# KiCad board armory.kicad_pcb (continued)
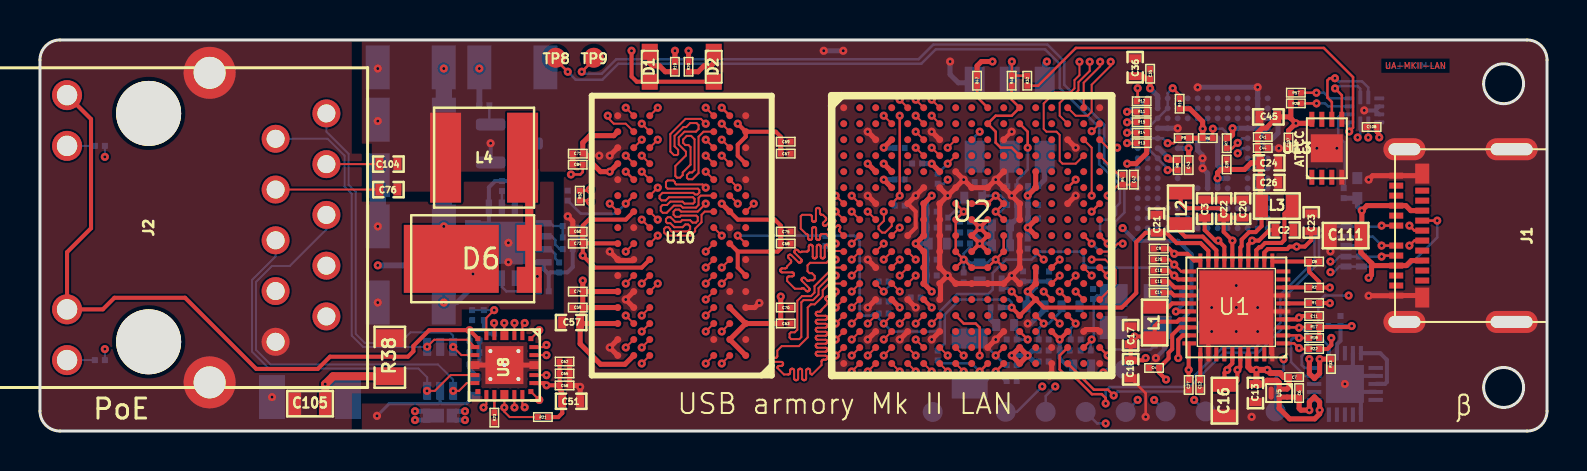
[diagram p0: board, top side]
## Routing (per net, layer and track width the routed paths; a pad name or vN(x,y) marks a point on that pad's centre or on a via; arc(x,y) is an arc through that point) (continued)
/DDR/DRAM_D13: length 28
  TOP w0.1: v1(29.29,5.78) U10.C8 ; U2.P3 v1(41.39,5.38)
  SIGNAL_1 w0.1: v1(41.39,5.38) 41.97,5.96 42.24,5.96 42.41,6.13 42.41,6.47 42.59,6.65 42.59,7.12 42.86,7.39 43.19,7.39 43.39,7.59 43.39,7.99 43.19,8.19 42.8,8.19 42.58,8.41 42.58,8.76 42.36,8.98 39.64,8.98 39.08,9.54 38.91,9.54 38.89,9.54 38.87,9.55 38.85,9.56 38.84,9.58 38.82,9.6 38.82,9.62 38.81,9.64 38.81,9.94 38.81,9.96 38.8,9.98 38.79,10 38.78,10.02 38.76,10.03 38.74,10.04 38.71,10.04 38.69,10.04 38.67,10.03 38.65,10.02 38.64,10 38.62,9.98 38.62,9.96 38.61,9.94 38.61,9.14 38.61,9.12 38.6,9.1 38.59,9.08 38.58,9.06 38.56,9.05 38.54,9.04 38.51,9.04 38.49,9.04 38.47,9.05 38.45,9.06 38.44,9.08 38.42,9.1 38.42,9.12 38.41,9.14 38.41,9.94 38.41,9.96 38.4,9.98 38.39,10 38.38,10.02 38.36,10.03 38.34,10.04 38.31,10.04 38.29,10.04 38.27,10.03 38.25,10.02 38.24,10 38.22,9.98 38.22,9.96 38.21,9.94 38.21,9.14 38.21,9.12 38.2,9.1 38.19,9.08 38.18,9.06 38.16,9.05 38.14,9.04 38.11,9.04 38.09,9.04 38.07,9.05 38.05,9.06 38.04,9.08 38.02,9.1 38.02,9.12 38.01,9.14 38.01,9.94 38.01,9.96 38,9.98 37.99,10 37.98,10.02 37.96,10.03 37.94,10.04 37.91,10.04 37.89,10.04 37.87,10.03 37.85,10.02 37.84,10 37.82,9.98 37.82,9.96 37.81,9.94 37.81,9.14 37.81,9.12 37.8,9.1 37.79,9.08 37.78,9.06 37.76,9.05 37.74,9.04 37.71,9.04 37.69,9.04 37.67,9.05 37.65,9.06 37.64,9.08 37.62,9.1 37.62,9.12 37.61,9.14 37.61,9.44 37.61,9.46 37.6,9.48 37.59,9.5 37.58,9.52 37.56,9.53 37.54,9.54 37.51,9.54 36.56,9.54 35.52,8.5 35.52,7.04 33.86,5.38 U10.C8 v1(29.29,5.78)
/DDR/DRAM_D14: length 28
  TOP w0.1: U2.R2 v1(40.59,4.58) ; v1(34.09,4.98) U10.C2
  SIGNAL_1 w0.1: v1(34.09,4.98) 34.09,5.33 35.73,6.97 35.73,7.92 36.03,8.22 36.45,8.22 36.48,8.22 36.5,8.21 36.52,8.2 36.53,8.18 36.54,8.16 36.55,8.14 36.55,8.12 36.55,7.88 36.56,7.86 36.56,7.84 36.58,7.82 36.59,7.81 36.61,7.79 36.63,7.79 36.65,7.78 36.68,7.79 36.7,7.79 36.72,7.81 36.73,7.82 36.74,7.84 36.75,7.86 36.75,7.88 36.75,8.56 36.76,8.58 36.76,8.6 36.78,8.62 36.79,8.63 36.81,8.65 36.83,8.65 36.85,8.66 36.88,8.65 36.9,8.65 36.92,8.63 36.93,8.62 36.94,8.6 36.95,8.58 36.95,8.56 36.95,7.88 36.96,7.86 36.96,7.84 36.98,7.82 36.99,7.81 37.01,7.79 37.03,7.79 37.05,7.78 37.08,7.79 37.1,7.79 37.12,7.81 37.13,7.82 37.14,7.84 37.15,7.86 37.15,7.88 37.15,8.56 37.16,8.58 37.16,8.6 37.18,8.62 37.19,8.63 37.21,8.65 37.23,8.65 37.25,8.66 37.28,8.65 37.3,8.65 37.32,8.63 37.33,8.62 37.34,8.6 37.35,8.58 37.35,8.56 37.35,7.88 37.36,7.86 37.36,7.84 37.38,7.82 37.39,7.81 37.41,7.79 37.43,7.79 37.45,7.78 37.48,7.79 37.5,7.79 37.52,7.81 37.53,7.82 37.54,7.84 37.55,7.86 37.55,7.88 37.55,8.56 37.56,8.58 37.56,8.6 37.58,8.62 37.59,8.63 37.61,8.65 37.63,8.65 37.65,8.66 37.68,8.65 37.7,8.65 37.72,8.63 37.73,8.62 37.74,8.6 37.75,8.58 37.75,8.56 37.75,7.88 37.76,7.86 37.76,7.84 37.78,7.82 37.79,7.81 37.81,7.79 37.83,7.79 37.85,7.78 37.88,7.79 37.9,7.79 37.92,7.81 37.93,7.82 37.94,7.84 37.95,7.86 37.95,7.88 37.95,8.56 37.96,8.58 37.96,8.6 37.98,8.62 37.99,8.63 38.01,8.65 38.03,8.65 38.05,8.66 38.08,8.65 38.1,8.65 38.12,8.63 38.13,8.62 38.14,8.6 38.15,8.58 38.15,8.56 38.15,7.88 38.16,7.86 38.16,7.84 38.18,7.82 38.19,7.81 38.21,7.79 38.23,7.79 38.25,7.78 38.28,7.79 38.3,7.79 38.32,7.81 38.33,7.82 38.34,7.84 38.35,7.86 38.35,7.88 38.35,8.56 38.36,8.58 38.36,8.6 38.38,8.62 38.39,8.63 38.41,8.65 38.43,8.65 38.45,8.66 38.48,8.65 38.5,8.65 38.52,8.63 38.53,8.62 38.54,8.6 38.55,8.58 38.55,8.56 38.55,7.88 38.56,7.86 38.56,7.84 38.58,7.82 38.59,7.81 38.61,7.79 38.63,7.79 38.65,7.78 38.68,7.79 38.7,7.79 38.72,7.81 38.73,7.82 38.74,7.84 38.75,7.86 38.75,7.88 38.75,8.56 38.76,8.58 38.76,8.6 38.78,8.62 38.79,8.63 38.81,8.65 38.83,8.65 38.85,8.66 38.88,8.65 38.9,8.65 38.92,8.63 38.93,8.62 38.94,8.6 38.95,8.58 38.95,8.56 38.95,7.88 38.96,7.86 38.96,7.84 38.98,7.82 38.99,7.81 39.01,7.79 39.03,7.79 39.05,7.78 39.08,7.79 39.1,7.79 39.12,7.81 39.13,7.82 39.14,7.84 39.15,7.86 39.15,7.88 39.15,8.56 39.16,8.58 39.16,8.6 39.18,8.62 39.19,8.63 39.21,8.65 39.23,8.65 39.25,8.66 39.28,8.65 39.3,8.65 39.32,8.63 39.33,8.62 39.34,8.6 39.35,8.58 39.35,8.56 39.35,8.32 39.36,8.3 39.36,8.28 39.38,8.26 39.39,8.24 39.41,8.23 39.43,8.22 39.45,8.22 42.4,8.22 42.63,7.99 42.63,7.5 42.47,7.34 42.04,7.34 41.81,7.11 41.81,6.71 41.91,6.61 42.08,6.61 42.2,6.49 42.2,6.29 42.07,6.16 41.89,6.16 41.52,5.79 41.2,5.79 40.99,5.58 U2.R2 v1(40.59,4.58)
/DDR/DRAM_D15: length 28
  TOP w0.1: U10.C3 v1(33.29,4.98) ; v1(39.79,4.58) U2.R1
  SIGNAL_1 w0.1: v1(33.29,4.98) 33.29,4.72 33.39,4.62 34.24,4.62 34.48,4.86 34.48,5.44 35.93,6.89 35.93,7.36 36.1,7.53 37.25,7.53 37.4,7.38 37.4,6.53 37.41,6.51 37.41,6.49 37.43,6.47 37.44,6.45 37.46,6.44 37.48,6.43 37.5,6.43 37.53,6.43 37.55,6.44 37.57,6.45 37.58,6.47 37.59,6.49 37.6,6.51 37.6,6.53 37.6,7.43 37.61,7.45 37.61,7.47 37.63,7.49 37.64,7.51 37.66,7.52 37.68,7.53 37.7,7.53 37.73,7.53 37.75,7.52 37.77,7.51 37.78,7.49 37.79,7.47 37.8,7.45 37.8,7.43 37.8,6.53 37.81,6.51 37.81,6.49 37.83,6.47 37.84,6.45 37.86,6.44 37.88,6.43 37.9,6.43 37.93,6.43 37.95,6.44 37.97,6.45 37.98,6.47 37.99,6.49 38,6.51 38,6.53 38,7.43 38.01,7.45 38.01,7.47 38.03,7.49 38.04,7.51 38.06,7.52 38.08,7.53 38.1,7.53 38.13,7.53 38.15,7.52 38.17,7.51 38.18,7.49 38.19,7.47 38.2,7.45 38.2,7.43 38.2,6.53 38.21,6.51 38.21,6.49 38.23,6.47 38.24,6.45 38.26,6.44 38.28,6.43 38.3,6.43 38.33,6.43 38.35,6.44 38.37,6.45 38.38,6.47 38.39,6.49 38.4,6.51 38.4,6.53 38.4,7.43 38.41,7.45 38.41,7.47 38.43,7.49 38.44,7.51 38.46,7.52 38.48,7.53 38.5,7.53 38.53,7.53 38.55,7.52 38.57,7.51 38.58,7.49 38.59,7.47 38.6,7.45 38.6,7.43 38.6,6.53 38.61,6.51 38.61,6.49 38.63,6.47 38.64,6.45 38.66,6.44 38.68,6.43 38.7,6.43 38.73,6.43 38.75,6.44 38.77,6.45 38.78,6.47 38.79,6.49 38.8,6.51 38.8,6.53 38.8,7.43 38.81,7.45 38.81,7.47 38.83,7.49 38.84,7.51 38.86,7.52 38.88,7.53 38.9,7.53 38.93,7.53 38.95,7.52 38.97,7.51 38.98,7.49 38.99,7.47 39,7.45 39,7.43 39,7.08 39.01,7.06 39.01,7.04 39.03,7.02 39.04,7 39.06,6.99 39.08,6.98 39.1,6.98 39.29,6.98 39.69,7.38 39.89,7.38 39.9,7.38 39.92,7.38 39.92,7.37 39.93,7.36 39.94,7.35 39.94,7.34 39.94,7.32 39.95,7.31 39.95,7.3 39.96,7.29 39.97,7.28 39.98,7.28 39.99,7.28 40.09,7.28 40.1,7.28 40.12,7.28 40.12,7.29 40.13,7.3 40.14,7.31 40.14,7.32 40.14,7.33 40.14,7.48 40.15,7.5 40.15,7.52 40.17,7.54 40.18,7.56 40.2,7.57 40.22,7.58 40.24,7.58 40.27,7.58 40.29,7.57 40.31,7.56 40.32,7.54 40.33,7.52 40.34,7.5 40.35,7.46 40.35,7.44 40.37,7.42 40.38,7.4 40.4,7.39 40.42,7.38 40.44,7.38 40.74,7.38 40.95,7.59 40.95,7.97 41,8.02 41.17,8.02 41.2,8.02 41.22,8.01 41.24,8 41.25,7.98 41.26,7.96 41.27,7.94 41.27,7.92 41.27,7.57 41.28,7.55 41.28,7.53 41.3,7.51 41.31,7.49 41.33,7.48 41.35,7.47 41.37,7.47 41.4,7.47 41.42,7.48 41.44,7.49 41.45,7.51 41.46,7.53 41.47,7.55 41.47,7.57 41.47,7.92 41.48,7.94 41.48,7.96 41.5,7.98 41.51,8 41.53,8.01 41.55,8.02 41.57,8.02 42.3,8.02 42.43,7.89 42.43,7.69 42.28,7.54 41.82,7.54 41.61,7.33 41.61,6.71 41.45,6.55 41.22,6.55 40.99,6.32 40.99,5.97 40.8,5.78 40.42,5.78 40.19,5.55 U2.R1 v1(39.79,4.58)
/DDR/DRAM_DQM0: length 28.2
  TOP w0.1: U2.T7 v1(45.39,3.78) ; U10.E7 v1(30.89,7.38)
  SIGNAL_1 w0.1: v1(30.89,7.38) 30.89,9.23 31.65,9.99 31.65,11.05 33.19,12.59 41.67,12.59 42.08,12.18 43.94,12.18 44.19,11.93 44.19,11.38 46.55,9.02 46.55,6.02 46.16,5.63 46.16,4.55 v1(45.39,3.78)
/DDR/DRAM_DQM1: length 27.9
  TOP w0.1: v1(33.29,5.78) U10.D3 ; U2.T3 v1(41.39,3.78)
  SIGNAL_1 w0.1: 37.81,10.91 37.79,10.91 37.77,10.9 37.75,10.89 37.74,10.87 37.72,10.85 37.72,10.83 37.71,10.81 37.71,10.56 37.71,10.53 37.7,10.51 37.69,10.49 37.68,10.48 37.66,10.47 37.64,10.46 37.61,10.46 37.59,10.46 37.57,10.47 37.55,10.48 37.54,10.49 37.52,10.51 37.52,10.53 37.51,10.56 37.51,10.99 37.51,11 37.51,11.02 37.5,11.03 37.48,11.05 37.47,11.06 37.45,11.06 37.44,11.06 37.39,11.06 37.37,11.06 37.36,11.06 37.34,11.05 37.33,11.03 37.32,11.02 37.32,11 37.31,10.99 37.31,10.56 37.31,10.53 37.3,10.51 37.29,10.49 37.28,10.48 37.26,10.47 37.24,10.46 37.21,10.46 37.19,10.46 37.17,10.47 37.15,10.48 37.14,10.49 37.12,10.51 37.12,10.53 37.11,10.56 37.11,10.81 37.11,10.83 37.1,10.85 37.09,10.87 37.08,10.89 37.06,10.9 37.04,10.91 37.01,10.91 36.87,10.91 35.88,9.92 35.88,9.14 35.32,8.58 35.32,7.12 34.58,6.38 33.92,6.38 33.32,5.78 v1(33.29,5.78) ; v1(41.39,3.78) 41.39,4.08 41.82,4.51 41.82,5.51 42.06,5.75 42.44,5.75 42.61,5.92 42.61,6.39 42.82,6.6 43.13,6.6 44.16,7.62 44.16,8.77 43.99,8.94 43.15,8.94 42.35,9.74 41.84,9.74 41.75,9.65 41.73,9.64 41.71,9.63 41.7,9.61 41.68,9.59 41.68,9.57 41.67,9.55 41.67,9.3 41.67,9.27 41.66,9.25 41.65,9.23 41.64,9.22 41.62,9.21 41.6,9.2 41.57,9.2 41.55,9.2 41.53,9.21 41.51,9.22 41.5,9.23 41.48,9.25 41.48,9.27 41.47,9.3 41.47,9.73 41.47,9.74 41.47,9.76 41.46,9.77 41.44,9.79 41.43,9.8 41.41,9.8 41.4,9.8 41.35,9.8 41.33,9.8 41.32,9.8 41.3,9.79 41.29,9.77 41.28,9.76 41.28,9.74 41.27,9.73 41.27,9.3 41.27,9.27 41.26,9.25 41.25,9.23 41.24,9.22 41.22,9.21 41.2,9.2 41.17,9.2 41.15,9.2 41.13,9.21 41.11,9.22 41.1,9.23 41.08,9.25 41.08,9.27 41.07,9.3 41.07,9.55 41.07,9.57 41.06,9.59 41.05,9.61 41.04,9.63 41.02,9.64 40.92,9.74 39.64,9.74 38.76,10.62 38.6,10.62 38.53,10.56 38.53,10.53 38.52,10.51 38.51,10.49 38.5,10.48 38.48,10.47 38.46,10.46 38.43,10.46 38.41,10.46 38.39,10.47 38.37,10.48 38.36,10.49 38.34,10.51 38.34,10.53 38.33,10.56 38.33,10.99 38.33,11 38.33,11.02 38.32,11.03 38.3,11.05 38.29,11.06 38.27,11.06 38.26,11.06 38.21,11.06 38.19,11.06 38.18,11.06 38.16,11.05 38.15,11.03 38.14,11.02 38.14,11 38.13,10.99 38.13,10.56 38.13,10.53 38.12,10.51 38.11,10.49 38.1,10.48 38.08,10.47 38.06,10.46 38.03,10.46 38.01,10.46 37.99,10.47 37.97,10.48 37.96,10.49 37.94,10.51 37.94,10.53 37.93,10.56 37.93,10.81 37.93,10.83 37.92,10.85 37.91,10.87 37.9,10.89 37.88,10.9 37.86,10.91 37.83,10.91
/DDR/DRAM_RAS_B: length 34
  TOP w0.1: v1(34.09,9.78) U10.J3 ; U2.M5 v1(43.79,7.78)
  SIGNAL_2 w0.1: v1(34.09,9.78) 34.09,9.28 33.39,8.58 30.23,8.58 29.7,8.05 29.7,6.39 29.71,6.38 29.71,6.36 29.72,6.35 29.73,6.34 29.75,6.33 29.76,6.32 29.79,6.32 29.81,6.31 29.82,6.3 29.84,6.29 29.85,6.28 29.85,6.26 29.85,6.25 29.85,6.19 29.85,6.18 29.85,6.16 29.84,6.15 29.82,6.14 29.81,6.13 29.79,6.12 29.78,6.12 29.65,6.12 29.64,6.12 29.63,6.12 29.62,6.11 29.61,6.1 29.61,6.09 29.6,6.08 29.6,6.07 29.6,5.97 29.6,5.96 29.61,5.95 29.61,5.94 29.62,5.93 29.63,5.92 29.64,5.92 29.66,5.92 29.68,5.92 29.68,5.91 29.69,5.9 29.7,5.89 29.7,5.88 29.7,5.87 29.7,5.52 29.84,5.38 30.41,5.38 30.67,5.12 30.67,4.87 31.09,4.45 31.09,4.26 31.23,4.12 31.25,4.11 31.26,4.1 31.28,4.1 31.29,4.1 31.31,4.1 31.33,4.11 31.35,4.13 31.37,4.14 31.38,4.14 31.4,4.14 31.42,4.14 31.43,4.13 31.44,4.12 31.48,4.08 31.49,4.07 31.5,4.06 31.5,4.04 31.5,4.02 31.5,4.01 31.49,3.99 31.48,3.98 31.37,3.87 31.36,3.86 31.36,3.84 31.35,3.83 31.35,3.81 31.36,3.8 31.36,3.78 31.37,3.77 31.41,3.73 31.42,3.72 31.44,3.71 31.46,3.71 31.47,3.71 31.49,3.71 31.5,3.72 31.52,3.73 31.57,3.78 31.62,3.84 31.64,3.85 31.65,3.85 31.67,3.86 31.68,3.86 31.7,3.85 31.71,3.85 31.73,3.84 31.76,3.8 31.77,3.79 31.78,3.77 31.78,3.76 31.78,3.74 31.78,3.72 31.77,3.71 31.75,3.68 31.75,3.67 31.74,3.65 31.74,3.63 31.75,3.62 31.75,3.6 31.76,3.59 32.07,3.59 32.09,3.59 32.11,3.6 32.12,3.61 32.13,3.62 32.14,3.63 32.15,3.65 32.15,3.68 32.16,3.7 32.16,3.71 32.18,3.72 32.19,3.73 32.21,3.74 32.22,3.74 32.27,3.74 32.29,3.74 32.31,3.73 32.32,3.72 32.33,3.71 32.34,3.7 32.35,3.68 32.35,3.66 32.35,3.52 32.35,3.5 32.36,3.48 32.36,3.47 32.38,3.46 32.39,3.45 32.41,3.44 32.42,3.44 32.47,3.44 32.49,3.44 32.51,3.45 32.52,3.46 32.53,3.47 32.54,3.48 32.55,3.5 32.55,3.52 32.55,3.59 32.55,3.59 32.55,3.66 32.55,3.68 32.56,3.7 32.57,3.71 32.58,3.72 32.59,3.73 32.61,3.74 32.62,3.74 32.67,3.74 32.69,3.74 32.71,3.73 32.72,3.72 32.73,3.71 32.74,3.7 32.75,3.68 32.75,3.65 32.76,3.63 32.77,3.62 32.78,3.61 32.79,3.6 32.81,3.59 32.82,3.59 33.12,3.89 33.44,3.89 33.46,3.89 33.48,3.9 33.49,3.91 33.5,3.92 33.51,3.93 33.52,3.95 33.52,3.98 33.53,4 33.53,4.01 33.55,4.02 33.56,4.03 33.58,4.04 33.59,4.04 33.64,4.04 33.66,4.04 33.68,4.03 33.69,4.02 33.7,4.01 33.71,4 33.72,3.98 33.72,3.96 33.72,3.82 33.72,3.8 33.73,3.78 33.73,3.77 33.75,3.76 33.76,3.75 33.78,3.74 33.79,3.74 33.84,3.74 33.86,3.74 33.88,3.75 33.89,3.76 33.9,3.77 33.91,3.78 33.92,3.8 33.92,3.82 33.92,3.96 33.92,3.98 33.93,4 33.93,4.01 33.95,4.02 33.96,4.03 33.98,4.04 33.99,4.04 34.04,4.04 34.06,4.04 34.08,4.03 34.09,4.02 34.1,4.01 34.11,4 34.12,3.98 34.12,3.96 34.12,3.82 34.12,3.8 34.13,3.78 34.13,3.77 34.15,3.76 34.16,3.75 34.18,3.74 34.19,3.74 34.24,3.74 34.26,3.74 34.28,3.75 34.29,3.76 34.3,3.77 34.31,3.78 34.32,3.8 34.32,3.82 34.32,3.89 34.32,3.96 34.32,3.98 34.33,4 34.34,4.01 34.35,4.02 34.36,4.03 34.38,4.04 34.39,4.04 34.44,4.04 34.46,4.04 34.48,4.03 34.49,4.02 34.5,4.01 34.51,4 34.52,3.98 34.52,3.95 34.53,3.93 34.54,3.92 34.55,3.91 34.56,3.9 34.58,3.89 34.59,3.89 34.99,3.49 35.26,3.49 35.28,3.49 35.3,3.5 35.31,3.51 35.32,3.52 35.33,3.53 35.34,3.55 35.34,3.58 35.35,3.6 35.36,3.61 35.37,3.62 35.38,3.63 35.4,3.64 35.41,3.64 35.46,3.64 35.48,3.64 35.5,3.63 35.51,3.62 35.52,3.61 35.53,3.6 35.54,3.58 35.54,3.55 35.55,3.53 35.56,3.52 35.57,3.51 35.58,3.5 35.6,3.49 35.61,3.49 35.66,3.49 35.68,3.49 35.7,3.5 35.71,3.51 35.72,3.52 35.73,3.53 35.74,3.55 35.74,3.58 35.75,3.6 35.76,3.61 35.77,3.62 35.78,3.63 35.8,3.64 35.81,3.64 35.86,3.64 35.88,3.64 35.9,3.63 35.91,3.62 35.92,3.61 35.93,3.6 35.94,3.58 35.94,3.55 35.95,3.53 35.96,3.52 35.97,3.51 35.98,3.5 36,3.49 36.01,3.49 36.06,3.49 36.08,3.49 36.1,3.5 36.11,3.51 36.12,3.52 36.13,3.53 36.14,3.55 36.14,3.58 36.15,3.6 36.16,3.61 36.17,3.62 36.18,3.63 36.2,3.64 36.21,3.64 36.26,3.64 36.28,3.64 36.3,3.63 36.31,3.62 36.32,3.61 36.33,3.6 36.34,3.58 36.34,3.55 36.35,3.53 36.36,3.52 36.37,3.51 36.38,3.5 36.4,3.49 36.41,3.49 36.46,3.49 36.48,3.49 36.5,3.5 36.51,3.51 36.52,3.52 36.53,3.53 36.54,3.55 36.54,3.58 36.55,3.6 36.56,3.61 36.57,3.62 36.58,3.63 36.6,3.64 36.61,3.64 36.66,3.64 36.68,3.64 36.7,3.63 36.71,3.62 36.72,3.61 36.73,3.6 36.74,3.58 36.74,3.55 36.75,3.53 36.76,3.52 36.77,3.51 36.78,3.5 36.8,3.49 36.81,3.49 36.86,3.49 36.88,3.49 36.9,3.5 36.91,3.51 36.92,3.52 36.93,3.53 36.94,3.55 36.94,3.58 36.95,3.6 36.96,3.61 36.97,3.62 36.98,3.63 37,3.64 37.01,3.64 37.06,3.64 37.08,3.64 37.1,3.63 37.11,3.62 37.12,3.61 37.13,3.6 37.14,3.58 37.14,3.55 37.15,3.53 37.16,3.52 37.17,3.51 37.18,3.5 37.2,3.49 37.21,3.49 37.26,3.49 37.28,3.49 37.3,3.5 37.31,3.51 37.32,3.52 37.33,3.53 37.34,3.55 37.34,3.58 37.35,3.6 37.36,3.61 37.37,3.62 37.38,3.63 37.4,3.64 37.41,3.64 37.46,3.64 37.48,3.64 37.5,3.63 37.51,3.62 37.52,3.61 37.53,3.6 37.54,3.58 37.54,3.55 37.55,3.53 37.56,3.52 37.57,3.51 37.58,3.5 37.6,3.49 37.61,3.49 37.66,3.49 37.68,3.49 37.7,3.5 37.71,3.51 37.72,3.52 37.73,3.53 37.74,3.55 37.74,3.58 37.75,3.6 37.76,3.61 37.77,3.62 37.78,3.63 37.8,3.64 37.81,3.64 37.86,3.64 37.88,3.64 37.9,3.63 37.91,3.62 37.92,3.61 37.93,3.6 37.94,3.58 37.94,3.55 37.95,3.53 37.96,3.52 37.97,3.51 37.98,3.5 38,3.49 38.01,3.49 38.06,3.49 38.08,3.49 38.1,3.5 38.11,3.51 38.12,3.52 38.13,3.53 38.14,3.55 38.14,3.58 38.15,3.6 38.16,3.61 38.17,3.62 38.18,3.63 38.2,3.64 38.21,3.64 38.26,3.64 38.28,3.64 38.3,3.63 38.31,3.62 38.32,3.61 38.33,3.6 38.34,3.58 38.34,3.55 38.35,3.53 38.36,3.52 38.37,3.51 38.38,3.5 38.4,3.49 38.41,3.49 38.46,3.49 38.48,3.49 38.5,3.5 38.51,3.51 38.52,3.52 38.53,3.53 38.54,3.55 38.54,3.58 38.55,3.6 38.56,3.61 38.57,3.62 38.58,3.63 38.6,3.64 38.61,3.64 38.66,3.64 38.68,3.64 38.7,3.63 38.71,3.62 38.72,3.61 38.73,3.6 38.74,3.58 38.74,3.55 38.75,3.53 38.76,3.52 38.77,3.51 38.78,3.5 38.8,3.49 38.81,3.49 38.86,3.49 38.88,3.49 38.9,3.5 38.91,3.51 38.92,3.52 38.93,3.53 38.94,3.55 38.94,3.58 38.95,3.6 38.96,3.61 38.97,3.62 38.98,3.63 39,3.64 39.01,3.64 39.06,3.64 39.08,3.64 39.1,3.63 39.11,3.62 39.12,3.61 39.13,3.6 39.14,3.58 39.14,3.55 39.15,3.53 39.16,3.52 39.17,3.51 39.18,3.5 39.2,3.49 39.21,3.49 39.42,3.7 39.42,3.95 39.65,4.18 40.01,4.18 40.19,4.36 40.19,4.68 40.49,4.98 40.73,4.98 40.74,4.98 40.75,4.98 40.76,4.97 40.77,4.96 40.77,4.95 40.78,4.94 40.78,4.92 40.78,4.91 40.79,4.9 40.8,4.89 40.81,4.88 40.82,4.88 40.83,4.88 40.93,4.88 40.94,4.88 40.95,4.88 40.96,4.89 40.97,4.9 40.97,4.91 40.98,4.92 40.98,4.93 40.98,4.98 40.98,5.05 40.98,5.07 40.99,5.09 41,5.1 41.01,5.11 41.02,5.12 41.04,5.13 41.05,5.13 41.1,5.13 41.12,5.13 41.14,5.12 41.15,5.11 41.16,5.1 41.17,5.09 41.18,5.07 41.18,5.04 41.19,5.02 41.2,5.01 41.21,5 41.22,4.99 41.24,4.98 41.25,4.98 41.58,4.98 41.79,5.19 41.79,5.58 41.79,5.6 41.79,5.61 41.78,5.63 41.77,5.64 41.75,5.65 41.74,5.65 41.7,5.66 41.69,5.66 41.67,5.67 41.66,5.68 41.65,5.7 41.65,5.71 41.64,5.73 41.64,5.78 41.65,5.8 41.65,5.81 41.66,5.83 41.67,5.84 41.69,5.85 41.7,5.85 41.72,5.86 41.79,5.86 41.79,5.86 41.87,5.86 41.88,5.86 41.9,5.86 41.91,5.87 41.93,5.88 41.94,5.9 41.94,5.91 41.94,5.93 41.94,5.98 41.94,6 41.94,6.01 41.93,6.03 41.91,6.04 41.9,6.05 41.88,6.05 41.85,6.06 41.84,6.06 41.82,6.07 41.81,6.08 41.8,6.1 41.8,6.11 41.79,6.13 41.8,6.15 41.8,6.16 41.81,6.18 41.82,6.19 41.84,6.2 41.85,6.2 41.88,6.21 41.9,6.21 41.91,6.22 41.93,6.23 41.94,6.25 41.94,6.26 41.94,6.28 41.94,6.33 41.94,6.35 41.94,6.36 41.93,6.38 41.91,6.39 41.9,6.4 41.88,6.4 41.87,6.41 41.72,6.41 41.7,6.41 41.69,6.41 41.67,6.42 41.66,6.43 41.65,6.45 41.65,6.46 41.64,6.48 41.64,6.53 41.65,6.55 41.65,6.56 41.66,6.58 41.67,6.59 41.69,6.6 41.7,6.6 41.72,6.61 41.84,6.61 41.85,6.61 41.87,6.61 41.87,6.62 41.88,6.62 41.89,6.63 41.89,6.64 41.89,6.66 41.89,6.75 41.89,6.77 41.89,6.78 41.88,6.79 41.87,6.79 41.87,6.8 41.85,6.8 41.84,6.8 41.79,6.8 41.72,6.81 41.7,6.81 41.69,6.81 41.67,6.82 41.66,6.83 41.65,6.85 41.65,6.86 41.64,6.88 41.64,6.93 41.65,6.95 41.65,6.96 41.66,6.98 41.67,6.99 41.69,7 41.7,7 41.74,7.01 41.75,7.01 41.77,7.02 41.78,7.03 41.79,7.05 41.79,7.06 41.79,7.08 42.09,7.38 42.37,7.38 42.39,7.38 42.4,7.37 42.42,7.36 42.43,7.35 42.44,7.34 42.44,7.32 42.45,7.29 42.45,7.27 42.46,7.26 42.47,7.25 42.49,7.24 42.5,7.23 42.52,7.23 42.57,7.23 42.59,7.23 42.6,7.24 42.62,7.25 42.63,7.26 42.64,7.27 42.64,7.29 42.64,7.31 42.64,7.43 42.64,7.44 42.65,7.45 42.65,7.46 42.66,7.47 42.67,7.48 42.68,7.48 42.69,7.48 42.79,7.48 42.8,7.48 42.82,7.48 42.82,7.47 42.83,7.46 42.84,7.45 42.84,7.44 42.84,7.42 42.85,7.41 42.85,7.4 42.86,7.39 42.87,7.38 42.88,7.38 42.89,7.38 U2.M5 v1(43.79,7.78)
